# Altium PCB PCB2.PcbDoc (part 1 of 4) (continued)
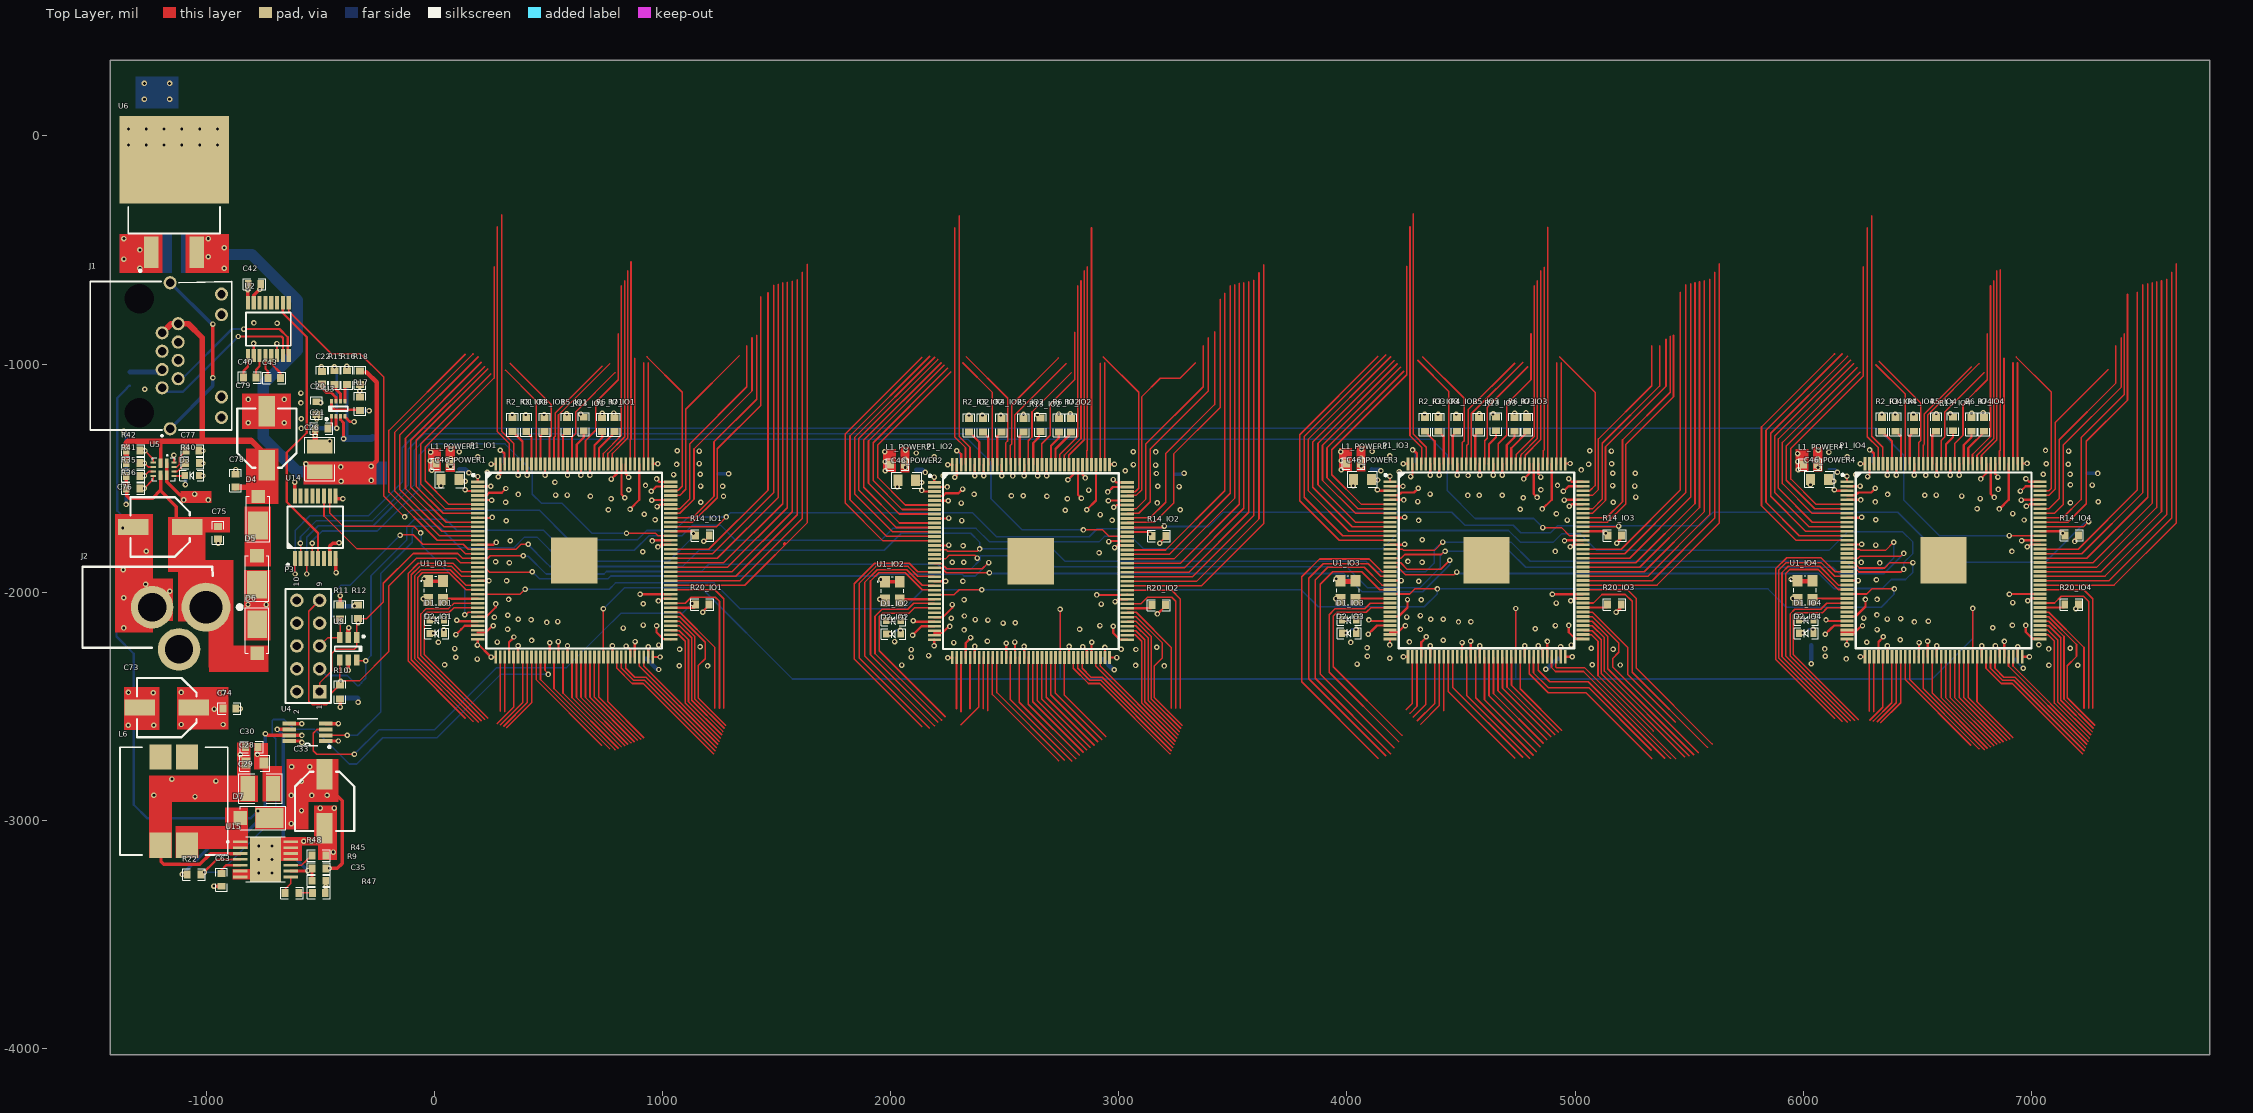
[diagram p0: Top Layer view]
## Classes and differential pairs (continued)
component class Power_ORing: C73 C74 C75 C76 C77 C78 C79 D3 D4 D5 D6 J2 R35 R36 R37 R38 R39 R40 R41 R42 R43 R44 U5
channel class VoltageAmplifier: U_VoltageAmplifier11 U_VoltageAmplifier12 U_VoltageAmplifier13 U_VoltageAmplifier14 U_VoltageAmplifier21 U_VoltageAmplifier22 U_VoltageAmplifier23 U_VoltageAmplifier24 U_VoltageAmplifier31 U_VoltageAmplifier32 U_VoltageAmplifier33 U_VoltageAmplifier34 U_VoltageAmplifier41 U_VoltageAmplifier42 U_VoltageAmplifier43 U_VoltageAmplifier44 U_VoltageAmplifier51 U_VoltageAmplifier52 U_VoltageAmplifier53 U_VoltageAmplifier54 U_VoltageAmplifier61 U_VoltageAmplifier62 U_VoltageAmplifier63 U_VoltageAmplifier64 U_VoltageAmplifier71 U_VoltageAmplifier72 U_VoltageAmplifier73 U_VoltageAmplifier74 U_VoltageAmplifier81 U_VoltageAmplifier82 U_VoltageAmplifier83 U_VoltageAmplifier84 U_VoltageAmplifier91 U_VoltageAmplifier92 U_VoltageAmplifier93 U_VoltageAmplifier94 U_VoltageAmplifier101 U_VoltageAmplifier102 U_VoltageAmplifier103 U_VoltageAmplifier104 U_VoltageAmplifier111 U_VoltageAmplifier112 U_VoltageAmplifier113 U_VoltageAmplifier114 U_VoltageAmplifier121 U_VoltageAmplifier122 U_VoltageAmplifier123 U_VoltageAmplifier124 U_VoltageAmplifier131 U_VoltageAmplifier132 U_VoltageAmplifier133 U_VoltageAmplifier134 U_VoltageAmplifier141 U_VoltageAmplifier142 U_VoltageAmplifier143 U_VoltageAmplifier144 U_VoltageAmplifier151 U_VoltageAmplifier152 U_VoltageAmplifier153 U_VoltageAmplifier154 U_VoltageAmplifier161 U_VoltageAmplifier162 U_VoltageAmplifier163 U_VoltageAmplifier164 U_VoltageAmplifier171 U_VoltageAmplifier172 U_VoltageAmplifier173 U_VoltageAmplifier174 U_VoltageAmplifier181 U_VoltageAmplifier182 U_VoltageAmplifier183 U_VoltageAmplifier184 U_VoltageAmplifier191 U_VoltageAmplifier192 U_VoltageAmplifier193 U_VoltageAmplifier194 U_VoltageAmplifier201 U_VoltageAmplifier202 U_VoltageAmplifier203 U_VoltageAmplifier204 U_VoltageAmplifier211 U_VoltageAmplifier212 U_VoltageAmplifier213 U_VoltageAmplifier214 U_VoltageAmplifier221 U_VoltageAmplifier222 U_VoltageAmplifier223 U_VoltageAmplifier224 U_VoltageAmplifier231 U_VoltageAmplifier232 U_VoltageAmplifier233 U_VoltageAmplifier234 U_VoltageAmplifier241 U_VoltageAmplifier242 U_VoltageAmplifier243 U_VoltageAmplifier244 U_VoltageAmplifier251 U_VoltageAmplifier252 U_VoltageAmplifier253 U_VoltageAmplifier254 U_VoltageAmplifier261 U_VoltageAmplifier262 U_VoltageAmplifier263 U_VoltageAmplifier264 U_VoltageAmplifier271 U_VoltageAmplifier272 U_VoltageAmplifier273 U_VoltageAmplifier274 U_VoltageAmplifier281 U_VoltageAmplifier282 U_VoltageAmplifier283 U_VoltageAmplifier284 U_VoltageAmplifier291 U_VoltageAmplifier292 U_VoltageAmplifier293 U_VoltageAmplifier294 U_VoltageAmplifier301 U_VoltageAmplifier302 U_VoltageAmplifier303 U_VoltageAmplifier304 U_VoltageAmplifier311 U_VoltageAmplifier312 U_VoltageAmplifier313 U_VoltageAmplifier314 U_VoltageAmplifier321 U_VoltageAmplifier322 U_VoltageAmplifier323 U_VoltageAmplifier324 U_VoltageAmplifier331 U_VoltageAmplifier332 U_VoltageAmplifier333 U_VoltageAmplifier334 U_VoltageAmplifier341 U_VoltageAmplifier342 U_VoltageAmplifier343 U_VoltageAmplifier344 U_VoltageAmplifier351 U_VoltageAmplifier352 U_VoltageAmplifier353 U_VoltageAmplifier354 U_VoltageAmplifier361 U_VoltageAmplifier362 U_VoltageAmplifier363 U_VoltageAmplifier364 U_VoltageAmplifier371 U_VoltageAmplifier372 U_VoltageAmplifier373 U_VoltageAmplifier374 U_VoltageAmplifier381 U_VoltageAmplifier382 U_VoltageAmplifier383 U_VoltageAmplifier384
channel class FPGA_POWER: POWER1 POWER2 POWER3 POWER4
channel class FPGA_IO: IO1 IO2 IO3 IO4
component class U_POWER_VOLTAGE: C8 C14 C18 C19 C20 C21 C22 C25 C26 C27 C28 C29 C30 C31 C32 C33 C35 C63 D7 L4 L6 R9 R15 R16 R17 R18 R19 R22 R45 R46 R47 R48 R49 U3 U4 U6 U15
component class TOP_VOLTAGE: C36 C37 C38 C39 C40 C41 C42 C43 C44 J1 P3 R10 R11 R12 R23 R24 R25 R30 R31 R32 R33 R34 U2 U8 U14
component class POWER4: C2_POWER4 C3_POWER4 C4_POWER4 C5_POWER4 C6_POWER4 C7_POWER4 C9_POWER4 C10_POWER4 C11_POWER4 C12_POWER4 C13_POWER4 C15_POWER4 C16_POWER4 C17_POWER4 C23_POWER4 C24_POWER4 C45_POWER4 C46_POWER4 C47_POWER4 C48_POWER4 C49_POWER4 C51_POWER4 C52_POWER4 C53_POWER4 C54_POWER4 C55_POWER4 C56_POWER4 C57_POWER4 C58_POWER4 C59_POWER4 C60_POWER4 C61_POWER4 C62_POWER4 C64_POWER4 C65_POWER4 C66_POWER4 C67_POWER4 C68_POWER4 C69_POWER4 C70_POWER4 C71_POWER4 C72_POWER4 L1_POWER4 L3_POWER4
component class POWER3: C2_POWER3 C3_POWER3 C4_POWER3 C5_POWER3 C6_POWER3 C7_POWER3 C9_POWER3 C10_POWER3 C11_POWER3 C12_POWER3 C13_POWER3 C15_POWER3 C16_POWER3 C17_POWER3 C23_POWER3 C24_POWER3 C45_POWER3 C46_POWER3 C47_POWER3 C48_POWER3 C49_POWER3 C51_POWER3 C52_POWER3 C53_POWER3 C54_POWER3 C55_POWER3 C56_POWER3 C57_POWER3 C58_POWER3 C59_POWER3 C60_POWER3 C61_POWER3 C62_POWER3 C64_POWER3 C65_POWER3 C66_POWER3 C67_POWER3 C68_POWER3 C69_POWER3 C70_POWER3 C71_POWER3 C72_POWER3 L1_POWER3 L3_POWER3
component class POWER2: C2_POWER2 C3_POWER2 C4_POWER2 C5_POWER2 C6_POWER2 C7_POWER2 C9_POWER2 C10_POWER2 C11_POWER2 C12_POWER2 C13_POWER2 C15_POWER2 C16_POWER2 C17_POWER2 C23_POWER2 C24_POWER2 C45_POWER2 C46_POWER2 C47_POWER2 C48_POWER2 C49_POWER2 C51_POWER2 C52_POWER2 C53_POWER2 C54_POWER2 C55_POWER2 C56_POWER2 C57_POWER2 C58_POWER2 C59_POWER2 C60_POWER2 C61_POWER2 C62_POWER2 C64_POWER2 C65_POWER2 C66_POWER2 C67_POWER2 C68_POWER2 C69_POWER2 C70_POWER2 C71_POWER2 C72_POWER2 L1_POWER2 L3_POWER2
component class POWER1: C2_POWER1 C3_POWER1 C4_POWER1 C5_POWER1 C6_POWER1 C7_POWER1 C9_POWER1 C10_POWER1 C11_POWER1 C12_POWER1 C13_POWER1 C15_POWER1 C16_POWER1 C17_POWER1 C23_POWER1 C24_POWER1 C45_POWER1 C46_POWER1 C47_POWER1 C48_POWER1 C49_POWER1 C51_POWER1 C52_POWER1 C53_POWER1 C54_POWER1 C55_POWER1 C56_POWER1 C57_POWER1 C58_POWER1 C59_POWER1 C60_POWER1 C61_POWER1 C62_POWER1 C64_POWER1 C65_POWER1 C66_POWER1 C67_POWER1 C68_POWER1 C69_POWER1 C70_POWER1 C71_POWER1 C72_POWER1 L1_POWER1 L3_POWER1
component class IO4: C1_IO4 D1_IO4 D2_IO4 P1_IO4 R1_IO4 R2_IO4 R3_IO4 R4_IO4 R5_IO4 R6_IO4 R7_IO4 R8_IO4 R13_IO4 R14_IO4 R20_IO4 R21_IO4 U1_IO4
component class IO3: C1_IO3 D1_IO3 D2_IO3 P1_IO3 R1_IO3 R2_IO3 R3_IO3 R4_IO3 R5_IO3 R6_IO3 R7_IO3 R8_IO3 R13_IO3 R14_IO3 R20_IO3 R21_IO3 U1_IO3
component class IO2: C1_IO2 D1_IO2 D2_IO2 P1_IO2 R1_IO2 R2_IO2 R3_IO2 R4_IO2 R5_IO2 R6_IO2 R7_IO2 R8_IO2 R13_IO2 R14_IO2 R20_IO2 R21_IO2 U1_IO2
component class IO1: C1_IO1 D1_IO1 D2_IO1 P1_IO1 R1_IO1 R2_IO1 R3_IO1 R4_IO1 R5_IO1 R6_IO1 R7_IO1 R8_IO1 R13_IO1 R14_IO1 R20_IO1 R21_IO1 U1_IO1

## Components (designator, comment, footprint, x,y, rotation, side; value= is the part's Value field where it differs from the comment)
C1_IO1 "0.1uF/16V" 0603C -49.8,-1985.74 r90 bottom (schematic designator C1)
C1_IO2 "0.1uF/16V" 0603C 1951.3,-1988.34 r90 bottom (schematic designator C1)
C1_IO3 "0.1uF/16V" 0603C 3948.2,-1984.89 r90 bottom (schematic designator C1)
C1_IO4 "0.1uF/16V" 0603C 5951.2,-1984.74 r90 bottom (schematic designator C1)
C2_POWER1 "0.01uF/16V" 0603C 83.2,-1461.3 r0 bottom (schematic designator C2)
C2_POWER2 "0.01uF/16V" 0603C 2084.3,-1463.9 r0 bottom (schematic designator C2)
C2_POWER3 "0.01uF/16V" 0603C 4081.2,-1460.45 r0 bottom (schematic designator C2)
C2_POWER4 "0.01uF/16V" 0603C 6084.2,-1460.3 r0 bottom (schematic designator C2)
C3_POWER1 "0.01uF/16V" 0603C 853.2,-1504.74 r270 bottom (schematic designator C3)
C3_POWER2 "0.01uF/16V" 0603C 2854.3,-1507.34 r270 bottom (schematic designator C3)
C3_POWER3 "0.01uF/16V" 0603C 4851.2,-1503.89 r270 bottom (schematic designator C3)
C3_POWER4 "0.01uF/16V" 0603C 6854.2,-1503.74 r270 bottom (schematic designator C3)
C4_POWER1 "0.1uF/16V" 0603C 1109.2,-1381.3 r0 bottom (schematic designator C4)
C4_POWER2 "0.1uF/16V" 0603C 3110.3,-1383.9 r0 bottom (schematic designator C4)
C4_POWER3 "0.1uF/16V" 0603C 5107.2,-1380.45 r0 bottom (schematic designator C4)
C4_POWER4 "0.1uF/16V" 0603C 7110.2,-1380.3 r0 bottom (schematic designator C4)
C5_POWER1 "0.1uF/16V" 0603C 83.2,-1406.3 r0 bottom (schematic designator C5)
C5_POWER2 "0.1uF/16V" 0603C 2084.3,-1408.9 r0 bottom (schematic designator C5)
C5_POWER3 "0.1uF/16V" 0603C 4081.2,-1405.45 r0 bottom (schematic designator C5)
C5_POWER4 "0.1uF/16V" 0603C 6084.2,-1405.3 r0 bottom (schematic designator C5)
C6_POWER1 "0.1uF/16V" 0603C 218.2,-1426.3 r180 bottom (schematic designator C6)
C6_POWER2 "0.1uF/16V" 0603C 2219.3,-1428.9 r180 bottom (schematic designator C6)
C6_POWER3 "0.1uF/16V" 0603C 4216.2,-1425.45 r180 bottom (schematic designator C6)
C6_POWER4 "0.1uF/16V" 0603C 6219.2,-1425.3 r180 bottom (schematic designator C6)
C7_POWER1 "0.47uF/16V" 0603C 1122.2,-2248.3 r180 bottom (schematic designator C7)
C7_POWER2 "0.47uF/16V" 0603C 3123.3,-2250.9 r180 bottom (schematic designator C7)
C7_POWER3 "0.47uF/16V" 0603C 5120.2,-2247.45 r180 bottom (schematic designator C7)
C7_POWER4 "0.47uF/16V" 0603C 7123.2,-2247.3 r180 bottom (schematic designator C7)
C8 "22uF/25V" 1210C -1130,-520 r0 bottom
C9_POWER1 "0.1uF/16V" 0603C 303.02,-1458.62 r90 bottom (schematic designator C9)
C9_POWER2 "0.1uF/16V" 0603C 2304.12,-1461.22 r90 bottom (schematic designator C9)
C9_POWER3 "0.1uF/16V" 0603C 4301.02,-1457.77 r90 bottom (schematic designator C9)
C9_POWER4 "0.1uF/16V" 0603C 6304.02,-1457.62 r90 bottom (schematic designator C9)
C10_POWER1 "10uF/25V" 0805C 1137.2,-2321.3 r0 bottom (schematic designator C10)
C10_POWER2 "10uF/25V" 0805C 3138.3,-2323.9 r0 bottom (schematic designator C10)
C10_POWER3 "10uF/25V" 0805C 5135.2,-2320.45 r0 bottom (schematic designator C10)
C10_POWER4 "10uF/25V" 0805C 7138.2,-2320.3 r0 bottom (schematic designator C10)
C11_POWER1 "22uF/10V" 0603C 1109.2,-1439.3 r180 bottom (schematic designator C11)
C11_POWER2 "22uF/10V" 0603C 3110.3,-1441.9 r180 bottom (schematic designator C11)
C11_POWER3 "22uF/10V" 0603C 5107.2,-1438.45 r180 bottom (schematic designator C11)
C11_POWER4 "22uF/10V" 0603C 7110.2,-1438.3 r180 bottom (schematic designator C11)
C12_POWER1 "0.1uF/16V" 0603C 217.2,-1488.3 r0 bottom (schematic designator C12)
C12_POWER2 "0.1uF/16V" 0603C 2218.3,-1490.9 r0 bottom (schematic designator C12)
C12_POWER3 "0.1uF/16V" 0603C 4215.2,-1487.45 r0 bottom (schematic designator C12)
C12_POWER4 "0.1uF/16V" 0603C 6218.2,-1487.3 r0 bottom (schematic designator C12)
C13_POWER1 "0.1uF/16V" 0603C 189.2,-2247.3 r270 bottom (schematic designator C13)
C13_POWER2 "0.1uF/16V" 0603C 2190.3,-2249.9 r270 bottom (schematic designator C13)
C13_POWER3 "0.1uF/16V" 0603C 4187.2,-2246.45 r270 bottom (schematic designator C13)
C13_POWER4 "0.1uF/16V" 0603C 6190.2,-2246.3 r270 bottom (schematic designator C13)
C14 "22uF/25V" 1210C -1210,105.12 r270 bottom
C15_POWER1 "0.1uF/16V" 0603C 990.2,-1656.3 r270 bottom (schematic designator C15)
C15_POWER2 "0.1uF/16V" 0603C 2991.3,-1658.9 r270 bottom (schematic designator C15)
C15_POWER3 "0.1uF/16V" 0603C 4988.2,-1655.45 r270 bottom (schematic designator C15)
C15_POWER4 "0.1uF/16V" 0603C 6991.2,-1655.3 r270 bottom (schematic designator C15)
C16_POWER1 "0.1uF/16V" 0603C 278.2,-2030.3 r0 bottom (schematic designator C16)
C16_POWER2 "0.1uF/16V" 0603C 2279.3,-2032.9 r0 bottom (schematic designator C16)
C16_POWER3 "0.1uF/16V" 0603C 4276.2,-2029.45 r0 bottom (schematic designator C16)
C16_POWER4 "0.1uF/16V" 0603C 6279.2,-2029.3 r0 bottom (schematic designator C16)
C17_POWER1 "0.1uF/16V" 0603C 255.2,-2246.3 r90 bottom (schematic designator C17)
C17_POWER2 "0.1uF/16V" 0603C 2256.3,-2248.9 r90 bottom (schematic designator C17)
C17_POWER3 "0.1uF/16V" 0603C 4253.2,-2245.45 r90 bottom (schematic designator C17)
C17_POWER4 "0.1uF/16V" 0603C 6256.2,-2245.3 r90 bottom (schematic designator C17)
C18 "1uF/16V" 0603C -382,-1059.6 r90 bottom
C19 "22uF/25V" 1210C -541.8,-1204.4 r270 bottom
C20 "0.1uF/50V" 0603C -516.3,-1192.8 r270 top
C21 "1nF/63V" 0603C -493.74,-1282.4 r0 top
C22 "6.8nF/50V" 0603C -492.49,-1059.6 r270 top
C23_POWER1 "0.1uF/16V" 0603C 545.2,-2176.3 r90 bottom (schematic designator C23)
C23_POWER2 "0.1uF/16V" 0603C 2546.3,-2178.9 r90 bottom (schematic designator C23)
C23_POWER3 "0.1uF/16V" 0603C 4543.2,-2175.45 r90 bottom (schematic designator C23)
C23_POWER4 "0.1uF/16V" 0603C 6546.2,-2175.3 r90 bottom (schematic designator C23)
C24_POWER1 "0.1uF/16V" 0603C 1007.2,-2258.86 r90 bottom (schematic designator C24)
C24_POWER2 "0.1uF/16V" 0603C 3008.3,-2261.46 r90 bottom (schematic designator C24)
C24_POWER3 "0.1uF/16V" 0603C 5005.2,-2258.01 r90 bottom (schematic designator C24)
C24_POWER4 "0.1uF/16V" 0603C 7008.2,-2257.86 r90 bottom (schematic designator C24)
C25 "10pF/50V" 0603C -326.1,-1059.9 r270 bottom
C26 "22uF/25V" 1210C -501.7,-1416.32 r270 top
C27 "22uF/25V" 1210C -501.7,-1416.32 r270 bottom
C28 "10uF/25V" 0805C -786.5,-2748.6 r180 top
C29 "22uF/25V" 1210C -761.5,-2860.6 r180 top
C30 "0.1uF/50V" 0603C -799.94,-2678.6 r180 top
C31 "0.1uF/50V" 0603C -451.5,-2921.6 r90 bottom
C32 "2.2uF/50V" 0603C -514.28,-2921.6 r90 bottom
C33 "10uF/63V" EEE-FN1J100L -480.5,-2916.6 r270 top
C35 "0.047uF/50V" 0603C -505.5,-3318.6 r180 top
C36 "10pF/50V" 0603C -334.2,-2087.2 r270 bottom
C37 "10pF/50V" 0603C -333.2,-2437.1 r90 bottom
C38 "10pF/50V" 0603C -412.8,-2089.34 r270 bottom
C39 "10pF/50V" 0603C -412.9,-2434.66 r90 bottom
C40 "0.1uF/50V" 0603C -808.8,-1058.9 r180 top
C41 "0.1uF/50V" 0603C -790,-868.5 r270 bottom
C42 "0.1uF/50V" 0603C -787.7,-650.1 r180 top
C43 "0.1uF/50V" 0603C -701.74,-1060.7 r180 top
C44 "0.1uF/50V" 0603C -687.6,-868.5 r270 bottom
C45_POWER1 "0.1uF/16V" 0603C 962.2,-2144.3 r180 bottom (schematic designator C45)
C45_POWER2 "0.1uF/16V" 0603C 2963.3,-2146.9 r180 bottom (schematic designator C45)
C45_POWER3 "0.1uF/16V" 0603C 4960.2,-2143.45 r180 bottom (schematic designator C45)
C45_POWER4 "0.1uF/16V" 0603C 6963.2,-2143.3 r180 bottom (schematic designator C45)
C46_POWER1 "10uF/25V" 0805C 69.57,-1506.3 r0 top (schematic designator C46)
C46_POWER2 "10uF/25V" 0805C 2070.67,-1508.9 r0 top (schematic designator C46)
C46_POWER3 "10uF/25V" 0805C 4067.57,-1505.45 r0 top (schematic designator C46)
C46_POWER4 "10uF/25V" 0805C 6070.57,-1505.3 r0 top (schematic designator C46)
C47_POWER1 "0.47uF/16V" 0603C 1001.2,-1484.3 r0 bottom (schematic designator C47)
C47_POWER2 "0.47uF/16V" 0603C 3002.3,-1486.9 r0 bottom (schematic designator C47)
C47_POWER3 "0.47uF/16V" 0603C 4999.2,-1483.45 r0 bottom (schematic designator C47)
C47_POWER4 "0.47uF/16V" 0603C 7002.2,-1483.3 r0 bottom (schematic designator C47)
C48_POWER1 "0.1uF/16V" 0603C 61.2,-2233.3 r180 bottom (schematic designator C48)
C48_POWER2 "0.1uF/16V" 0603C 2062.3,-2235.9 r180 bottom (schematic designator C48)
C48_POWER3 "0.1uF/16V" 0603C 4059.2,-2232.45 r180 bottom (schematic designator C48)
C48_POWER4 "0.1uF/16V" 0603C 6062.2,-2232.3 r180 bottom (schematic designator C48)
C49_POWER1 "0.1uF/16V" 0603C 266.2,-1605.3 r0 bottom (schematic designator C49)
C49_POWER2 "0.1uF/16V" 0603C 2267.3,-1607.9 r0 bottom (schematic designator C49)
C49_POWER3 "0.1uF/16V" 0603C 4264.2,-1604.45 r0 bottom (schematic designator C49)
C49_POWER4 "0.1uF/16V" 0603C 6267.2,-1604.3 r0 bottom (schematic designator C49)
C51_POWER1 "0.1uF/16V" 0603C 267.2,-1548.3 r0 bottom (schematic designator C51)
C51_POWER2 "0.1uF/16V" 0603C 2268.3,-1550.9 r0 bottom (schematic designator C51)
C51_POWER3 "0.1uF/16V" 0603C 4265.2,-1547.45 r0 bottom (schematic designator C51)
C51_POWER4 "0.1uF/16V" 0603C 6268.2,-1547.3 r0 bottom (schematic designator C51)
C52_POWER1 "0.1uF/16V" 0603C 277.2,-2102.3 r0 bottom (schematic designator C52)
C52_POWER2 "0.1uF/16V" 0603C 2278.3,-2104.9 r0 bottom (schematic designator C52)
C52_POWER3 "0.1uF/16V" 0603C 4275.2,-2101.45 r0 bottom (schematic designator C52)
C52_POWER4 "0.1uF/16V" 0603C 6278.2,-2101.3 r0 bottom (schematic designator C52)
C53_POWER1 "0.01uF/16V" 0603C 276.2,-2163.3 r0 bottom (schematic designator C53)
C53_POWER2 "0.01uF/16V" 0603C 2277.3,-2165.9 r0 bottom (schematic designator C53)
C53_POWER3 "0.01uF/16V" 0603C 4274.2,-2162.45 r0 bottom (schematic designator C53)
C53_POWER4 "0.01uF/16V" 0603C 6277.2,-2162.3 r0 bottom (schematic designator C53)
C54_POWER1 "0.47uF/16V" 0603C 927.2,-2263.86 r270 bottom (schematic designator C54)
C54_POWER2 "0.47uF/16V" 0603C 2928.3,-2266.46 r270 bottom (schematic designator C54)
C54_POWER3 "0.47uF/16V" 0603C 4925.2,-2263.01 r270 bottom (schematic designator C54)
C54_POWER4 "0.47uF/16V" 0603C 6928.2,-2262.86 r270 bottom (schematic designator C54)
C55_POWER1 "10uF/25V" 0805C 919.2,-1595.3 r90 bottom (schematic designator C55)
C55_POWER2 "10uF/25V" 0805C 2920.3,-1597.9 r90 bottom (schematic designator C55)
C55_POWER3 "10uF/25V" 0805C 4917.2,-1594.45 r90 bottom (schematic designator C55)
C55_POWER4 "10uF/25V" 0805C 6920.2,-1594.3 r90 bottom (schematic designator C55)
C56_POWER1 "22uF/10V" 0603C 61.64,-2294.3 r0 bottom (schematic designator C56)
C56_POWER2 "22uF/10V" 0603C 2062.74,-2296.9 r0 bottom (schematic designator C56)
C56_POWER3 "22uF/10V" 0603C 4059.64,-2293.45 r0 bottom (schematic designator C56)
C56_POWER4 "22uF/10V" 0603C 6062.64,-2293.3 r0 bottom (schematic designator C56)
C57_POWER1 "0.1uF/16V" 0603C 491.2,-2177.3 r90 bottom (schematic designator C57)
C57_POWER2 "0.1uF/16V" 0603C 2492.3,-2179.9 r90 bottom (schematic designator C57)
C57_POWER3 "0.1uF/16V" 0603C 4489.2,-2176.45 r90 bottom (schematic designator C57)
C57_POWER4 "0.1uF/16V" 0603C 6492.2,-2176.3 r90 bottom (schematic designator C57)
C58_POWER1 "0.1uF/16V" 0603C 368.2,-2164.3 r90 bottom (schematic designator C58)
C58_POWER2 "0.1uF/16V" 0603C 2369.3,-2166.9 r90 bottom (schematic designator C58)
C58_POWER3 "0.1uF/16V" 0603C 4366.2,-2163.45 r90 bottom (schematic designator C58)
C58_POWER4 "0.1uF/16V" 0603C 6369.2,-2163.3 r90 bottom (schematic designator C58)
C59_POWER1 "0.1uF/16V" 0603C 269.2,-1950.3 r0 bottom (schematic designator C59)
C59_POWER2 "0.1uF/16V" 0603C 2270.3,-1952.9 r0 bottom (schematic designator C59)
C59_POWER3 "0.1uF/16V" 0603C 4267.2,-1949.45 r0 bottom (schematic designator C59)
C59_POWER4 "0.1uF/16V" 0603C 6270.2,-1949.3 r0 bottom (schematic designator C59)
C60_POWER1 "0.1uF/16V" 0603C 269.2,-1685.3 r0 bottom (schematic designator C60)
C60_POWER2 "0.1uF/16V" 0603C 2270.3,-1687.9 r0 bottom (schematic designator C60)
C60_POWER3 "0.1uF/16V" 0603C 4267.2,-1684.45 r0 bottom (schematic designator C60)
C60_POWER4 "0.1uF/16V" 0603C 6270.2,-1684.3 r0 bottom (schematic designator C60)
C61_POWER1 "0.1uF/16V" 0603C 367.2,-1525.3 r270 bottom (schematic designator C61)
C61_POWER2 "0.1uF/16V" 0603C 2368.3,-1527.9 r270 bottom (schematic designator C61)
C61_POWER3 "0.1uF/16V" 0603C 4365.2,-1524.45 r270 bottom (schematic designator C61)
C61_POWER4 "0.1uF/16V" 0603C 6368.2,-1524.3 r270 bottom (schematic designator C61)
C62_POWER1 "0.1uF/16V" 0603C 581.2,-1528.3 r270 bottom (schematic designator C62)
C62_POWER2 "0.1uF/16V" 0603C 2582.3,-1530.9 r270 bottom (schematic designator C62)
C62_POWER3 "0.1uF/16V" 0603C 4579.2,-1527.45 r270 bottom (schematic designator C62)
C62_POWER4 "0.1uF/16V" 0603C 6582.2,-1527.3 r270 bottom (schematic designator C62)
C63 "0.047uF/50V" 0603C -931.5,-3260.6 r90 top
C64_POWER1 "0.1uF/16V" 0603C 775.2,-1543.3 r270 bottom (schematic designator C64)
C64_POWER2 "0.1uF/16V" 0603C 2776.3,-1545.9 r270 bottom (schematic designator C64)
C64_POWER3 "0.1uF/16V" 0603C 4773.2,-1542.45 r270 bottom (schematic designator C64)
C64_POWER4 "0.1uF/16V" 0603C 6776.2,-1542.3 r270 bottom (schematic designator C64)
C65_POWER1 "0.1uF/16V" 0603C 964.7,-2049.39 r180 bottom (schematic designator C65)
C65_POWER2 "0.1uF/16V" 0603C 2965.8,-2051.99 r180 bottom (schematic designator C65)
C65_POWER3 "0.1uF/16V" 0603C 4962.7,-2048.54 r180 bottom (schematic designator C65)
C65_POWER4 "0.1uF/16V" 0603C 6965.7,-2048.39 r180 bottom (schematic designator C65)
C66_POWER1 "0.1uF/16V" 0603C 827.2,-2203.86 r90 bottom (schematic designator C66)
C66_POWER2 "0.1uF/16V" 0603C 2828.3,-2206.46 r90 bottom (schematic designator C66)
C66_POWER3 "0.1uF/16V" 0603C 4825.2,-2203.01 r90 bottom (schematic designator C66)
C66_POWER4 "0.1uF/16V" 0603C 6828.2,-2202.86 r90 bottom (schematic designator C66)
C67_POWER1 "0.1uF/16V" 0603C 960.2,-1822.3 r180 bottom (schematic designator C67)
C67_POWER2 "0.1uF/16V" 0603C 2961.3,-1824.9 r180 bottom (schematic designator C67)
C67_POWER3 "0.1uF/16V" 0603C 4958.2,-1821.45 r180 bottom (schematic designator C67)
C67_POWER4 "0.1uF/16V" 0603C 6961.2,-1821.3 r180 bottom (schematic designator C67)
C68_POWER1 "0.47uF/16V" 0603C 425.2,-2163.86 r90 bottom (schematic designator C68)
C68_POWER2 "0.47uF/16V" 0603C 2426.3,-2166.46 r90 bottom (schematic designator C68)
C68_POWER3 "0.47uF/16V" 0603C 4423.2,-2163.01 r90 bottom (schematic designator C68)
C68_POWER4 "0.47uF/16V" 0603C 6426.2,-2162.86 r90 bottom (schematic designator C68)
C69_POWER1 "10uF/25V" 0805C 291.2,-1844.3 r0 bottom (schematic designator C69)
C69_POWER2 "10uF/25V" 0805C 2292.3,-1846.9 r0 bottom (schematic designator C69)
C69_POWER3 "10uF/25V" 0805C 4289.2,-1843.45 r0 bottom (schematic designator C69)
C69_POWER4 "10uF/25V" 0805C 6292.2,-1843.3 r0 bottom (schematic designator C69)
C70_POWER1 "10uF/25V" 0805C 1228.57,-1607.3 r180 bottom (schematic designator C70)
C70_POWER2 "10uF/25V" 0805C 3229.67,-1609.9 r180 bottom (schematic designator C70)
C70_POWER3 "10uF/25V" 0805C 5226.57,-1606.45 r180 bottom (schematic designator C70)
C70_POWER4 "10uF/25V" 0805C 7229.57,-1606.3 r180 bottom (schematic designator C70)
C71_POWER1 "22uF/10V" 0603C 530.86,-1529.72 r90 bottom (schematic designator C71)
C71_POWER2 "22uF/10V" 0603C 2531.96,-1532.32 r90 bottom (schematic designator C71)
C71_POWER3 "22uF/10V" 0603C 4528.86,-1528.87 r90 bottom (schematic designator C71)
C71_POWER4 "22uF/10V" 0603C 6531.86,-1528.72 r90 bottom (schematic designator C71)
C72_POWER1 "22uF/10V" 0603C 1213.57,-1535.3 r180 bottom (schematic designator C72)
C72_POWER2 "22uF/10V" 0603C 3214.67,-1537.9 r180 bottom (schematic designator C72)
C72_POWER3 "22uF/10V" 0603C 5211.57,-1534.45 r180 bottom (schematic designator C72)
C72_POWER4 "22uF/10V" 0603C 7214.57,-1534.3 r180 bottom (schematic designator C72)
C73 "10uF/63V" EEE-FN1J100L -1172.3,-2505.7 r180 top
C74 "2.2uF/50V" 0603C -897.76,-2510.1 r180 top
C75 "2.2uF/50V" 0603C -948.2,-1738.9 r90 top
C76 "10uF/63V" EEE-FN1J100L -1201.2,-1713.9 r180 top
C77 "2.2uF/50V" 0603C -1059.66,-1378.83 r180 top
C78 "2.2uF/50V" 0603C -870.1,-1510.6 r270 top
C79 "10uF/63V" EEE-FN1J100L -733.8,-1324.7 r90 top
D1_IO1 "LEDR" LED_0603 11.5,-2121.1 r180 top value=RED (schematic designator D1)
D1_IO2 "LEDR" LED_0603 2012.6,-2123.7 r180 top value=RED (schematic designator D1)
D1_IO3 "LEDR" LED_0603 4009.5,-2120.25 r180 top value=RED (schematic designator D1)
D1_IO4 "LEDR" LED_0603 6012.5,-2120.1 r180 top value=RED (schematic designator D1)
D2_IO1 "LEDR" LED_0603 11.5,-2180.4 r180 top value=RED (schematic designator D2)
D2_IO2 "LEDR" LED_0603 2012.6,-2183 r180 top value=RED (schematic designator D2)
D2_IO3 "LEDR" LED_0603 4009.5,-2179.55 r180 top value=RED (schematic designator D2)
D2_IO4 "LEDR" LED_0603 6012.5,-2179.4 r180 top value=RED (schematic designator D2)
D3 "LEDR" LED_0603 -1062.28,-1487.98 r180 top value=RED
D4 "V8PAM10S-M3_H" V8PAM10SHM3H -771.9,-1664 r90 top
D5 "V8PAM10S-M3_H" V8PAM10SHM3H -776.5,-1923.83 r90 top
D6 "V8PAM10S-M3_H" V8PAM10SHM3H -776,-2183.44 r270 top
D7 "V8PAM10S-M3_H" V8PAM10SHM3H -765.81,-2989.6 r180 top
Designator3 "Comment" LED_0603 31.5,0 r180 bottom
Designator4 "Comment" LED_0603 931.5,0 r180 bottom
Designator5 "Comment" LED_0603 1831.5,0 r180 bottom
Designator6 "Comment" LED_0603 2731.5,0 r180 bottom
Designator7 "Comment" LED_0603 3631.5,0 r180 bottom
Designator8 "Comment" LED_0603 4531.5,0 r180 bottom
Designator9 "Comment" LED_0603 5431.5,0 r180 bottom
Designator10 "Comment" LED_0603 6331.5,0 r180 bottom
Designator11 "Comment" LED_0603 7231.5,0 r180 bottom
J1 "RJHSE-5381" RJHSE5381 -1197.5,-966.42 r270 top locked
J2 "PJ-002BH" PJ002BH -1000.29,-2065.46 r180 top
L1_POWER1 "100R,1A" 0603L 36.97,-1436.77 r180 top value=100R/1A (schematic designator L1)
L1_POWER2 "100R,1A" 0603L 2030,-1440 r180 top value=100R/1A (schematic designator L1)
L1_POWER3 "100R,1A" 0603L 4028.38,-1435.55 r180 top value=100R/1A (schematic designator L1)
L1_POWER4 "100R,1A" 0603L 6030,-1440 r180 top value=100R/1A (schematic designator L1)
L3_POWER1 "100R,1A" 0603L 1213.57,-1479.4 r0 bottom value=100R/1A (schematic designator L3)
L3_POWER2 "100R,1A" 0603L 3214.67,-1482 r0 bottom value=100R/1A (schematic designator L3)
L3_POWER3 "100R,1A" 0603L 5211.57,-1478.55 r0 bottom value=100R/1A (schematic designator L3)
L3_POWER4 "100R,1A" 0603L 7214.57,-1478.4 r0 bottom value=100R/1A (schematic designator L3)
L4 "2.2uH" IHLP1616BZER2R2M5A -270,-1322.52 r270 bottom
L6 "22uH" CDRH124NP-220MC -1141.5,-2915.6 r0 top
P1_IO1 "10M04SC E144" 10M04SCE144C8G 613.47,-1861.06 r0 top (schematic designator P1)
P1_IO2 "10M04SC E144" 10M04SCE144C8G 2614.57,-1863.66 r0 top (schematic designator P1)
P1_IO3 "10M04SC E144" 10M04SCE144C8G 4611.47,-1860.21 r0 top (schematic designator P1)
P1_IO4 "10M04SC E144" 10M04SCE144C8G 6614.47,-1860.06 r0 top locked (schematic designator P1)
P3 "JTAG" HDR2X5 -502.4,-2435.5 r90 top
R1_IO1 "10K" 0603R 286.2,-1772.3 r0 bottom (schematic designator R1)
R1_IO2 "10K" 0603R 2287.3,-1774.9 r0 bottom (schematic designator R1)
R1_IO3 "10K" 0603R 4284.2,-1771.45 r0 bottom (schematic designator R1)
R1_IO4 "10K" 0603R 6287.2,-1771.3 r0 bottom (schematic designator R1)
R2_IO1 "10K" 0603R 343.2,-1265.3 r90 top (schematic designator R2)
R2_IO2 "10K" 0603R 2344.3,-1267.9 r90 top (schematic designator R2)
R2_IO3 "10K" 0603R 4341.2,-1264.45 r90 top (schematic designator R2)
R2_IO4 "10K" 0603R 6344.2,-1264.3 r90 top (schematic designator R2)
R3_IO1 "10K" 0603R 403.2,-1265.3 r90 top (schematic designator R3)
R3_IO2 "10K" 0603R 2404.3,-1267.9 r90 top (schematic designator R3)
R3_IO3 "10K" 0603R 4401.2,-1264.45 r90 top (schematic designator R3)
R3_IO4 "10K" 0603R 6404.2,-1264.3 r90 top (schematic designator R3)
R4_IO1 "10K" 0603R 484.2,-1265.3 r90 top (schematic designator R4)
R4_IO2 "10K" 0603R 2485.3,-1267.9 r90 top (schematic designator R4)
R4_IO3 "10K" 0603R 4482.2,-1264.45 r90 top (schematic designator R4)
R4_IO4 "10K" 0603R 6485.2,-1264.3 r90 top (schematic designator R4)
R5_IO1 "10K" 0603R 581.2,-1265.3 r90 top (schematic designator R5)
R5_IO2 "10K" 0603R 2582.3,-1267.9 r90 top (schematic designator R5)
R5_IO3 "10K" 0603R 4579.2,-1264.45 r90 top (schematic designator R5)
R5_IO4 "10K" 0603R 6582.2,-1264.3 r90 top (schematic designator R5)
R6_IO1 "10K" 0603R 736.2,-1265.3 r90 top (schematic designator R6)
R6_IO2 "10K" 0603R 2737.3,-1267.9 r90 top (schematic designator R6)
R6_IO3 "10K" 0603R 4734.2,-1264.45 r90 top (schematic designator R6)
R6_IO4 "10K" 0603R 6737.2,-1264.3 r90 top (schematic designator R6)
R7_IO1 "10K" 0603R 790.2,-1265.3 r90 top (schematic designator R7)
R7_IO2 "10K" 0603R 2791.3,-1267.9 r90 top (schematic designator R7)
R7_IO3 "10K" 0603R 4788.2,-1264.45 r90 top (schematic designator R7)
R7_IO4 "10K" 0603R 6791.2,-1264.3 r90 top (schematic designator R7)
R8_IO1 "220R" 0603R 63.2,-2102.3 r180 bottom (schematic designator R8)
R8_IO2 "220R" 0603R 2064.3,-2104.9 r180 bottom (schematic designator R8)
R8_IO3 "220R" 0603R 4061.2,-2101.45 r180 bottom (schematic designator R8)
R8_IO4 "220R" 0603R 6064.2,-2101.3 r180 bottom (schematic designator R8)
R9 "10K" 0603R -505.5,-3264.27 r180 top
R10 "10K" 0603R -412.9,-2437.1 r270 top
R11 "10K" 0603R -412.8,-2086.9 r90 top
R12 "1K" 0603R -333.4,-2085.5 r90 top
R13_IO1 "1K" 0603R 655.2,-1263.3 r90 top (schematic designator R13)
R13_IO2 "1K" 0603R 2656.3,-1265.9 r90 top (schematic designator R13)
R13_IO3 "1K" 0603R 4653.2,-1262.45 r90 top (schematic designator R13)
R13_IO4 "1K" 0603R 6656.2,-1262.3 r90 top (schematic designator R13)
R14_IO1 "4.7K" 0603R 1175.2,-1751.3 r180 top (schematic designator R14)
R14_IO2 "4.7K" 0603R 3176.3,-1753.9 r180 top (schematic designator R14)
R14_IO3 "4.7K" 0603R 5173.2,-1750.45 r180 top (schematic designator R14)
R14_IO4 "4.7K" 0603R 7176.2,-1750.3 r180 top (schematic designator R14)
R15 "604K" 0603R -437.11,-1059.6 r270 top
R16 "20R" 0603R -382,-1059.6 r270 top
R17 "10K" 0603R -326.2,-1174.2 r90 top
R18 "40.2K" 0603R -326.1,-1059.9 r270 top
R19 "7.68K" 0603R -326.2,-1174.2 r90 bottom
R20_IO1 "4.7K" 0603R 1174.2,-2054.3 r180 top (schematic designator R20)
R20_IO2 "4.7K" 0603R 3175.3,-2056.9 r180 top (schematic designator R20)
R20_IO3 "4.7K" 0603R 5172.2,-2053.45 r180 top (schematic designator R20)
R20_IO4 "4.7K" 0603R 7175.2,-2053.3 r180 top (schematic designator R20)
R21_IO1 "220R" 0603R 63.2,-2163.3 r180 bottom (schematic designator R21)
R21_IO2 "220R" 0603R 2064.3,-2165.9 r180 bottom (schematic designator R21)
R21_IO3 "220R" 0603R 4061.2,-2162.45 r180 bottom (schematic designator R21)
R21_IO4 "220R" 0603R 6064.2,-2162.3 r180 bottom (schematic designator R21)
R22 "10K" 0603R -1052.5,-3236.6 r180 top
R23 "10K" 0603R 685.5,-1528.3 r90 bottom
R24 "10K" 0603R 809,-1637.2 r0 bottom
R25 "10K" 0603R 2684.2,-1530.9 r90 bottom
R30 "10K" 0603R 2813.6,-1641.1 r180 bottom
R31 "10K" 0603R 4681.3,-1527.45 r270 bottom
R32 "10K" 0603R 4806.6,-1636.6 r0 bottom
R33 "10K" 0603R 6692.8,-1527.3 r270 bottom
R34 "10K" 0603R 6810.1,-1634.3 r180 bottom
R35 "13K" 0603R -1319.46,-1489.89 r180 top
R36 "40.2K" 0603R -1319.46,-1545.43 r0 top
R37 "2K" 0603R -1059.66,-1489.33 r180 bottom
R38 "1K" 0603R -1319.46,-1489.89 r180 bottom
R39 "13K" 0603R -1319.46,-1545.43 r0 bottom
R40 "20K" 0603R -1059.66,-1434.36 r180 top
R41 "13K" 0603R -1319.46,-1434.36 r180 top
R42 "40.2K" 0603R -1319.46,-1378.83 r0 top
R43 "1K" 0603R -1319.46,-1434.36 r180 bottom
R44 "10K" 0603R -1319.46,-1378.83 r0 bottom
R45 "330K" 0603R -505.5,-3209.93 r0 top
R46 "10K" 0603R -1335,-1064.7 r270 bottom
R47 "5.23K" 0603R -623.5,-3317.6 r0 top
R48 "86.6K" 0603R -505.8,-3154.3 r0 top
R49 "1K" 0603R -1269.8,-1064.7 r270 bottom
U1_IO1 "OSC-25" ASE-25.000MHZ-LC-T 6.2,-1992.3 r270 top value=25MHZ (schematic designator U1)
U1_IO2 "OSC-25" ASE-25.000MHZ-LC-T 2007.3,-1994.9 r270 top value=25MHZ (schematic designator U1)
U1_IO3 "OSC-25" ASE-25.000MHZ-LC-T 4004.2,-1991.45 r270 top value=25MHZ (schematic designator U1)
U1_IO4 "OSC-25" ASE-25.000MHZ-LC-T 6007.2,-1991.3 r270 top value=25MHZ (schematic designator U1)
U2 "MAX3232CPWR" MAX3232CPWR -727.1,-847.2 r90 top
U3 "MP2333HGTL" MP2333HGTL-P -420.43,-1195.81 r90 top value=3.3V
U4 "MCP4562" MCP4562T-503E/MS -555.8,-2614 r180 top value=50K
U5 "TPS2121" TPS2121RUXT -1185.88,-1460.8 r270 top
U6 "LD1085D2T33R" LD1085D2T33R -1140,-105.47 r90 top value=3.3V
U8 "NUP4114" NUP4114HMR6T1G -377,-2247.9 r270 top value=TVS
U14 "74HC151DB,118" 74HC151DB,118 -521.4,-1715.3 r90 top
U15 "TPS61175PWPR" TPS61175PWPR -739.6,-3170.74 r0 top

## Footprints (in the part's own frame and the unit in brackets; to place one, negate y for a bottom-side part, rotate by r counter-clockwise, add the part's x,y. Pads: shape width x height; smd on the part's side, far side on the other; paste and mask are expansions set on the pad)
10M04SCE144C8G [mm]
  rect 1.475x0.3 smd: 1(-10.738,8.75) 2(-10.738,8.25) 3(-10.738,7.75) 4(-10.738,7.25) 5(-10.738,6.75) 6(-10.738,6.25) 7(-10.738,5.75) 8(-10.738,5.25) 9(-10.738,4.75) 10(-10.738,4.25) 11(-10.738,3.75) 12(-10.738,3.25) 13(-10.738,2.75) 14(-10.738,2.25) 15(-10.738,1.75) 16(-10.738,1.25) 17(-10.738,0.75) 18(-10.738,0.25) 19(-10.738,-0.25) 20(-10.738,-0.75) 21(-10.738,-1.25) 22(-10.738,-1.75) 23(-10.738,-2.25) 24(-10.738,-2.75) 25(-10.738,-3.25) 26(-10.738,-3.75) 27(-10.738,-4.25) 28(-10.738,-4.75) 29(-10.738,-5.25) 30(-10.738,-5.75) 31(-10.738,-6.25) 32(-10.738,-6.75) 33(-10.738,-7.25) 34(-10.738,-7.75) 35(-10.738,-8.25) 36(-10.738,-8.75) 73(10.738,-8.75) 74(10.738,-8.25) 75(10.738,-7.75) 76(10.738,-7.25) 77(10.738,-6.75) 78(10.738,-6.25) 79(10.738,-5.75) 80(10.738,-5.25) 81(10.738,-4.75) 82(10.738,-4.25) 83(10.738,-3.75) 84(10.738,-3.25) 85(10.738,-2.75) 86(10.738,-2.25) 87(10.738,-1.75) 88(10.738,-1.25) 89(10.738,-0.75) 90(10.738,-0.25) 91(10.738,0.25) 92(10.738,0.75) 93(10.738,1.25) 94(10.738,1.75) 95(10.738,2.25) 96(10.738,2.75) 97(10.738,3.25) 98(10.738,3.75) 99(10.738,4.25) 100(10.738,4.75) 101(10.738,5.25) 102(10.738,5.75) 103(10.738,6.25) 104(10.738,6.75) 105(10.738,7.25) 106(10.738,7.75) 107(10.738,8.25) 108(10.738,8.75)
  rect 0.3x1.475 smd: 37(-8.75,-10.738) 38(-8.25,-10.738) 39(-7.75,-10.738) 40(-7.25,-10.738) 41(-6.75,-10.738) 42(-6.25,-10.738) 43(-5.75,-10.738) 44(-5.25,-10.738) 45(-4.75,-10.738) 46(-4.25,-10.738) 47(-3.75,-10.738) 48(-3.25,-10.738) 49(-2.75,-10.738) 50(-2.25,-10.738) 51(-1.75,-10.738) 52(-1.25,-10.738) 53(-0.75,-10.738) 54(-0.25,-10.738) 55(0.25,-10.738) 56(0.75,-10.738) 57(1.25,-10.738) 58(1.75,-10.738) 59(2.25,-10.738) 60(2.75,-10.738) 61(3.25,-10.738) 62(3.75,-10.738) 63(4.25,-10.738) 64(4.75,-10.738) 65(5.25,-10.738) 66(5.75,-10.738) 67(6.25,-10.738) 68(6.75,-10.738) 69(7.25,-10.738) 70(7.75,-10.738) 71(8.25,-10.738) 72(8.75,-10.738) 109(8.75,10.738) 110(8.25,10.738) 111(7.75,10.738) 112(7.25,10.738) 113(6.75,10.738) 114(6.25,10.738) 115(5.75,10.738) 116(5.25,10.738) 117(4.75,10.738) 118(4.25,10.738) 119(3.75,10.738) 120(3.25,10.738) 121(2.75,10.738) 122(2.25,10.738) 123(1.75,10.738) 124(1.25,10.738) 125(0.75,10.738) 126(0.25,10.738) 127(-0.25,10.738) 128(-0.75,10.738) 129(-1.25,10.738) 130(-1.75,10.738) 131(-2.25,10.738) 132(-2.75,10.738) 133(-3.25,10.738) 134(-3.75,10.738) 135(-4.25,10.738) 136(-4.75,10.738) 137(-5.25,10.738) 138(-5.75,10.738) 139(-6.25,10.738) 140(-6.75,10.738) 141(-7.25,10.738) 142(-7.75,10.738) 143(-8.25,10.738) 144(-8.75,10.738)
  rect 5.15x5.15 smd: 145(0,0)
  silkscreen extent -11.35,-9.78 9.78,9.78, body extent -11,-11 11,11, height 1.65
74HC151DB,118 [mm]
  rect 1.675x0.45 smd: 1(-3.488,2.275) 2(-3.488,1.625) 3(-3.488,0.975) 4(-3.488,0.325) 5(-3.488,-0.325) 6(-3.488,-0.975) 7(-3.488,-1.625) 8(-3.488,-2.275) 9(3.488,-2.275) 10(3.488,-1.625) 11(3.488,-0.975) 12(3.488,-0.325) 13(3.488,0.325) 14(3.488,0.975) 15(3.488,1.625) 16(3.488,2.275)
  silkscreen extent -4.32,-3.1 2.3,3.17, body extent -3.88,-3.1 3.88,3.1, height 2
0603C [mm]
  rect 0.762x0.9 smd: 1(-0.7,0) 2(0.7,0)
  silkscreen extent -1.27,-0.64 1.27,0.64, body extent -0.8,-0.4 0.8,0.4, height 0.93
0603L [mil]
  rect 30x35 smd: 1(30,0) 2(-30,0)
  silkscreen extent -50,-25 50,25, body extent -31,-16 32,16, height 31
0603R [mil]
  rect 30x35 smd: 1(30,0) 2(-30,0)
  silkscreen extent -50,-25 50,25, body extent -31,-17 31,17, height 18
0805C [mm]
  rect 1x1.25 smd: 1(-1,0) 2(1,0)
  silkscreen extent -1.65,-0.89 1.65,0.89, body extent -1,-0.6 1,0.6, height 0.91
1210C [mm]
  rect 1.6x2.794 smd: 1(-1.4,0) 2(1.4,0)
  silkscreen extent -2.41,-1.65 2.41,1.65, body extent -1.6,-1.25 1.6,1.25, height 2.5
ASE-25.000MHZ-LC-T [mm]
  rect 1.3x1.1 smd: 1(-1.05,-0.825) 2(1.05,-0.825) 3(1.05,0.825) 4(-1.05,0.825)
  silkscreen extent -1.6,-1.65 1.6,1.25, body extent -1.6,-1.26 1.6,1.26, height 1.1
CDRH124NP-220MC [mm]
  rect 2.45x2.8 smd: 1(-1.475,-4.9) 2(1.475,-4.9) 3(1.475,4.9) 4(-1.475,4.9)
  silkscreen extent -6,-6 6,6, body extent -6,-6.05 6,6.05, height 4.6
EEE-FN1J100L [mm]
  rect 3.4x1.8 smd: 1(-3,0) 2(3,0)
  silkscreen extent -3.3,-3.3 3.3,3.3, body extent -3.9,-3.4 3.9,3.4, height 6.1
HDR2X5 [mm] "Connector; Header; 5x2 Position"
  rect 1.5x1.5 hole 0.9: 1(0,0)
  round 1.5 hole 0.9: 2(0,2.54) 3(2.54,0) 4(2.54,2.54) 5(5.08,0) 6(5.08,2.54) 7(7.62,0) 8(7.62,2.54) 9(10.16,0) 10(10.16,2.54)
  silkscreen extent -1.27,-1.27 11.43,3.81
IHLP1616BZER2R2M5A [mil]
  rect 90x120 smd: 1(0,0) 2(157.48,0)
  silkscreen extent -10,-85 165,85